# KiCad board OTTO-Beta-Main.kicad_pcb (continued)
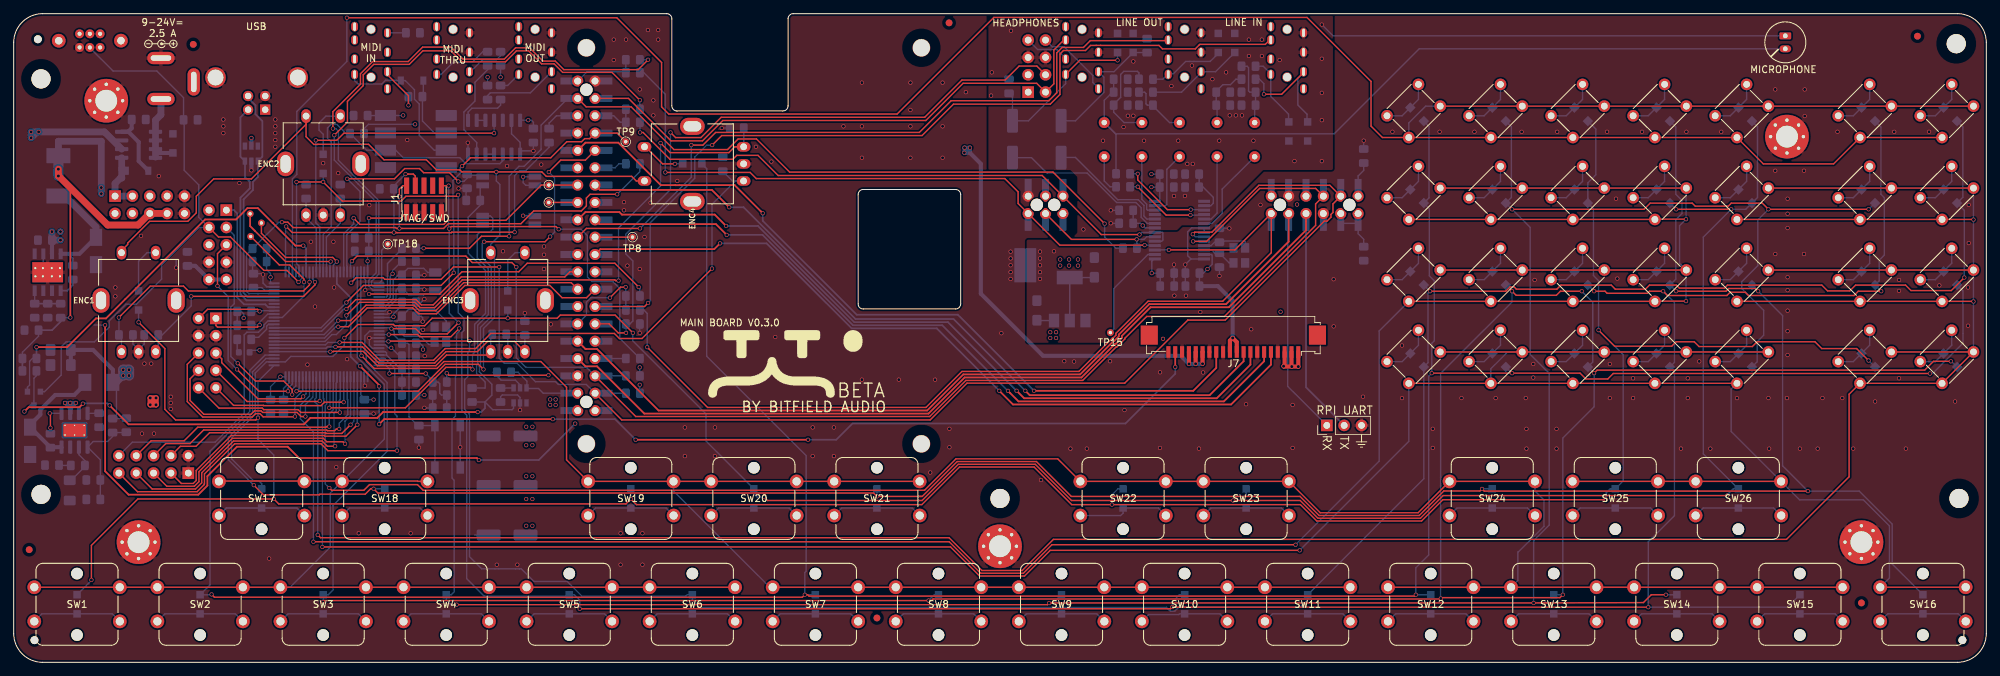
[diagram p0: board, top side]
## Footprints (pads in the part's own frame, mm; a bottom-side part is the same pattern mirrored in y, then rotated)
3.5mm_jack_PJ-3930-8A
  round 1.4 hole 1.2 unplated: (2.3,0) (9.3,0)
  oval 1.4x1 hole 1.2x0.4: R1(8.5,-2.4) R1S(6.65,2.4) R2(5.65,-2.4) R2S(3.85,2.4) S(2.8,-2.4) SS(1.9,2.4) T(8.9,2.4) TS(11,-2.4)
6x6mm_Switch
  round 1.7 hole 1: 1(-3.25,2.25) 1(3.25,2.25) 2(-3.25,-2.25) 2(3.25,-2.25)
ALPS_EC11
  oval 2.5x3.6 hole 1.5x2.6: (-5.5,0) (5.5,0)
  oval 1.4x2 hole 1: A(-2.5,-7.5) B(2.5,-7.5) C(0,-7.5) S1(-2.5,7) S2(2.5,7)
ALPS_SKHC_black
  round 1.7 hole 1.7 unplated: (0,4.5) (0,-4.5)
  round 2 hole 1.2: 1(-6.26,2.5) 1(6.25,2.5) 2(-6.25,-2.5) 2(6.25,-2.5)
ALPS_SKHC_white
  round 1.7 hole 1.7 unplated: (0,4.5) (0,-4.5)
  round 2 hole 1.2: 1(-6.26,2.5) 1(6.25,2.5) 2(-6.25,-2.5) 2(6.25,-2.5)
BarrelJack_2.0mmID_6.5mmOD
  oval 4x1.8 hole 3x0.8: 1(0,-13.5) 2(0,-7.5)
  oval 1.8x4 hole 0.8x3: 3(-4.8,-11)
C_0805_2012Metric_Pad1.15x1.40mm_HandSolder
  rrect 1.15x1.4 smd: 1(-1.025,0) 2(1.025,0)
C_1206_3216Metric_Pad1.42x1.75mm_HandSolder
  rrect 1.425x1.75 smd: 1(-1.488,0) 2(1.488,0)
C_Rect_L7.2mm_W5.0mm_P5.00mm_FKS2_FKP2_MKS2_MKP2
  round 1.6 hole 0.8: 1(0,0) 2(5,0)
CP_EIA-3216-18_Kemet-A_Pad1.58x1.35mm_HandSolder
  rrect 1.575x1.35 smd: 1(1.438,0) 2(-1.438,0)
CP_Elec_6.3x4.5
  rrect 3.5x1.6 smd: 1(2.7,0) 2(-2.7,0)
Crystal_SMD_3215-2Pin_3.2x1.5mm_HandSoldering
  rect 1.2x1.8 smd: 1(1.35,0) 2(-1.35,0)
Crystal_SMD_3225-4Pin_3.2x2.5mm
  rect 1.4x1.2 smd: 1(-1.1,-0.85) 2(1.1,-0.85) 3(1.1,0.85) 4(-1.1,0.85)
D_SMA
  rect 2.5x1.8 smd: 1(-2,0) 2(2,0)
D_SOD-123
  rect 0.9x1.2 smd: 1(-1.65,0) 2(1.65,0)
D_SOD-123F
  rect 1.1x1.1 smd: 1(-1.4,0) 2(1.4,0)
DIP-8_W8.89mm_SMDSocket_LongPads
  rect 3.1x1.6 smd: 1(-4.445,3.81) 2(-4.445,1.27) 3(-4.445,-1.27) 4(-4.445,-3.81) 5(4.445,-3.81) 6(4.445,-1.27) 7(4.445,1.27) 8(4.445,3.81)
Fiducial_1mm_Mask2mm
  round 1 smd: (0,0)
Harwin_M20-7810345_2x03_P2.54mm_Vertical_SolderHoles
  round 1.8 hole 1.8 unplated: (0,-1.27) (0,1.27)
  rect 2.18x1.02 smd: 1(-2.71,-2.54) 2(2.71,-2.54) 3(-2.71,0) 4(2.71,0) 5(-2.71,2.54) 6(2.71,2.54)
  custom 1.62x1.62 hole 1.02: 1(-1.27,-2.54) 2(1.27,-2.54) 3(-1.27,0) 4(1.27,0) 5(-1.27,2.54) 6(1.27,2.54)
Harwin_M20-7810645_2x06_P2.54mm_Vertical_SolderHoles
  round 1.8 hole 1.8 unplated: (0,-5.08) (0,5.08)
  rect 2.18x1.02 smd: 1(-2.71,-6.35) 2(2.71,-6.35) 3(-2.71,-3.81) 4(2.71,-3.81) 5(-2.71,-1.27) 6(2.71,-1.27) 7(-2.71,1.27) 8(2.71,1.27) 9(-2.71,3.81) 10(2.71,3.81) 11(-2.71,6.35) 12(2.71,6.35)
  custom 1.62x1.62 hole 1.02: 1(-1.27,-6.35) 2(1.27,-6.35) 3(-1.27,-3.81) 4(1.27,-3.81) 9(-1.27,3.81) 10(1.27,3.81) 11(-1.27,6.35) 12(1.27,6.35)
  round 1.62 hole 1.02: 5(-1.27,-1.27) 6(1.27,-1.27) 7(-1.27,1.27) 8(1.27,1.27)
INGHAi_GMI6050p
  rrect 1x1.7 hole 0.7: 1(-0.95,0)
  oval 1x1.7 hole 0.7: 2(0.95,0)
JLC_TOOLING_HOLE
  round 1.152 hole 1.152 unplated: (0,0)
L_6.6x7.1
  rect 2.2x3.5 smd: 1(-2.95,0) 2(2.95,0)
L_Sunlord_MWSA0518_5.4x5.2mm
  rect 1.9x2.5 smd: 1(-2.05,0) 2(2.05,0)
LED_0603_1608Metric
  rrect 0.875x0.95 smd: 1(-0.787,0) 2(0.787,0)
LQFP-100_14x14mm_P0.5mm
  rrect 0.3x1.6 smd: 1(-6,-7.675) 2(-5.5,-7.675) 3(-5,-7.675) 4(-4.5,-7.675) 5(-4,-7.675) 6(-3.5,-7.675) 7(-3,-7.675) 8(-2.5,-7.675) 9(-2,-7.675) 10(-1.5,-7.675) 11(-1,-7.675) 12(-0.5,-7.675) 13(0,-7.675) 14(0.5,-7.675) 15(1,-7.675) 16(1.5,-7.675) 17(2,-7.675) 18(2.5,-7.675) 19(3,-7.675) 20(3.5,-7.675) 21(4,-7.675) 22(4.5,-7.675) 23(5,-7.675) 24(5.5,-7.675) 25(6,-7.675) 51(6,7.675) 52(5.5,7.675) 53(5,7.675) 54(4.5,7.675) 55(4,7.675) 56(3.5,7.675) 57(3,7.675) 58(2.5,7.675) 59(2,7.675) 60(1.5,7.675) 61(1,7.675) 62(0.5,7.675) 63(0,7.675) 64(-0.5,7.675) 65(-1,7.675) 66(-1.5,7.675) 67(-2,7.675) 68(-2.5,7.675) 69(-3,7.675) 70(-3.5,7.675) 71(-4,7.675) 72(-4.5,7.675) 73(-5,7.675) 74(-5.5,7.675) 75(-6,7.675)
  rrect 1.6x0.3 smd: 26(7.675,-6) 27(7.675,-5.5) 28(7.675,-5) 29(7.675,-4.5) 30(7.675,-4) 31(7.675,-3.5) 32(7.675,-3) 33(7.675,-2.5) 34(7.675,-2) 35(7.675,-1.5) 36(7.675,-1) 37(7.675,-0.5) 38(7.675,0) 39(7.675,0.5) 40(7.675,1) 41(7.675,1.5) 42(7.675,2) 43(7.675,2.5) 44(7.675,3) 45(7.675,3.5) 46(7.675,4) 47(7.675,4.5) 48(7.675,5) 49(7.675,5.5) 50(7.675,6) 76(-7.675,6) 77(-7.675,5.5) 78(-7.675,5) 79(-7.675,4.5) 80(-7.675,4) 81(-7.675,3.5) 82(-7.675,3) 83(-7.675,2.5) 84(-7.675,2) 85(-7.675,1.5) 86(-7.675,1) 87(-7.675,0.5) 88(-7.675,0) 89(-7.675,-0.5) 90(-7.675,-1) 91(-7.675,-1.5) 92(-7.675,-2) 93(-7.675,-2.5) 94(-7.675,-3) 95(-7.675,-3.5) 96(-7.675,-4) 97(-7.675,-4.5) 98(-7.675,-5) 99(-7.675,-5.5) 100(-7.675,-6)
Mounting_Hole_M2.5_Loose_Fit
  round 2.8 hole 2.8 unplated: (0,0)
MountingHole_3.2mm_M3_Pad_Via
  round 0.8 hole 0.5: 1(-2.4,0) 1(-1.697,1.697) 1(-1.697,-1.697) 1(0,2.4) 1(0,-2.4) 1(1.697,1.697) 1(1.697,-1.697) 1(2.4,0)
  round 6.4 hole 3.2: 1(0,0)
NetTie-2_Pad5.0mm
  rect 1.6x5 smd: 1(-0.8,0) 2(0.8,0)
PinHeader_1x03_P2.54mm_Vertical
  rect 1.7x1.7 hole 1: 1(0,0)
  oval 1.7x1.7 hole 1: 2(0,-2.54) 3(0,-5.08)
PinHeader_2x04_P2.54mm_Vertical
  rect 1.7x1.7 hole 1: 1(0,0)
  oval 1.7x1.7 hole 1: 2(2.54,0) 3(0,-2.54) 4(2.54,-2.54) 5(0,-5.08) 6(2.54,-5.08) 7(0,-7.62) 8(2.54,-7.62)
PinHeader_2x05_P1.27mm_Vertical_SMD
  rect 2.4x0.74 smd: 1(-1.95,2.54) 2(1.95,2.54) 3(-1.95,1.27) 4(1.95,1.27) 5(-1.95,0) 6(1.95,0) 7(-1.95,-1.27) 8(1.95,-1.27) 9(-1.95,-2.54) 10(1.95,-2.54)
PinHeader_2x05_P2.54mm_Vertical
  rect 1.7x1.7 hole 1: 1(0,0)
  oval 1.7x1.7 hole 1: 2(2.54,0) 3(0,-2.54) 4(2.54,-2.54) 5(0,-5.08) 6(2.54,-5.08) 7(0,-7.62) 8(2.54,-7.62) 9(0,-10.16) 10(2.54,-10.16)
R_0805_2012Metric_Pad1.15x1.40mm_HandSolder
  rrect 1.15x1.4 smd: 1(-1.025,0) 2(1.025,0)
Raspberry_Pi_A_FacingDown_TH
  round 2.6 hole 2.5 unplated: (-49,-29) (-49,29) (0,-29) (0,29)
  round 1.8 hole 1.8 unplated: (0,-22.86) (0,22.86)
  rect 2.18x1.02 smd: 1(-2.71,-24.13) 2(2.71,-24.13) 3(-2.71,-21.59) 4(2.71,-21.59) 5(-2.71,-19.05) 6(2.71,-19.05) 7(-2.71,-16.51) 8(2.71,-16.51) 9(-2.71,-13.97) 10(2.71,-13.97) 11(-2.71,-11.43) 12(2.71,-11.43) 13(-2.71,-8.89) 14(2.71,-8.89) 15(-2.71,-6.35) 16(2.71,-6.35) 17(-2.71,-3.81) 18(2.71,-3.81) 19(-2.71,-1.27) 20(2.71,-1.27) 21(-2.71,1.27) 22(2.71,1.27) 23(-2.71,3.81) 24(2.71,3.81) 25(-2.71,6.35) 26(2.71,6.35) 27(-2.71,8.89) 28(2.71,8.89) 29(-2.71,11.43) 30(2.71,11.43) 31(-2.71,13.97) 32(2.71,13.97) 33(-2.71,16.51) 34(2.71,16.51) 35(-2.71,19.05) 36(2.71,19.05) 37(-2.71,21.59) 38(2.71,21.59) 39(-2.71,24.13) 40(2.71,24.13)
  custom 1.62x1.62 hole 1.02: 1(-1.27,-24.13) 2(1.27,-24.13) 3(-1.27,-21.59) 4(1.27,-21.59) 37(-1.27,21.59) 38(1.27,21.59) 39(-1.27,24.13) 40(1.27,24.13)
  round 1.62 hole 1.02: 5(-1.27,-19.05) 6(1.27,-19.05) 7(-1.27,-16.51) 8(1.27,-16.51) 9(-1.27,-13.97) 10(1.27,-13.97) 11(-1.27,-11.43) 12(1.27,-11.43) 13(-1.27,-8.89) 14(1.27,-8.89) 15(-1.27,-6.35) 16(1.27,-6.35) 17(-1.27,-3.81) 18(1.27,-3.81) 19(-1.27,-1.27) 20(1.27,-1.27) 21(-1.27,1.27) 22(1.27,1.27) 23(-1.27,3.81) 24(1.27,3.81) 25(-1.27,6.35) 26(1.27,6.35) 27(-1.27,8.89) 28(1.27,8.89) 29(-1.27,11.43) 30(1.27,11.43) 31(-1.27,13.97) 32(1.27,13.97) 33(-1.27,16.51) 34(1.27,16.51) 35(-1.27,19.05) 36(1.27,19.05)
SOIC-8-1EP_3.9x4.9mm_P1.27mm_EP2.41x3.81mm_ThermalVias
  rrect 1.01x1.59 smd: (-0.6,-0.95) (-0.6,0.95) (0.6,-0.95) (0.6,0.95)
  rrect 1.95x0.6 smd: 1(-2.475,1.905) 2(-2.475,0.635) 3(-2.475,-0.635) 4(-2.475,-1.905) 5(2.475,-1.905) 6(2.475,-0.635) 7(2.475,0.635) 8(2.475,1.905)
  round 0.5 hole 0.2: 9(-0.7,-1.4) 9(-0.7,0) 9(-0.7,1.4) 9(0.7,-1.4) 9(0.7,0) 9(0.7,1.4)
  rrect 1.9x3.3 smd far side: 9(0,0)
  rrect 2.41x3.81 smd: 9(0,0)
SOIC-8_3.9x4.9mm_P1.27mm
  rrect 0.6x1.95 smd: 1(-1.905,-2.475) 2(-0.635,-2.475) 3(0.635,-2.475) 4(1.905,-2.475) 5(1.905,2.475) 6(0.635,2.475) 7(-0.635,2.475) 8(-1.905,2.475)
SOIC-14_3.9x8.7mm_P1.27mm
  rrect 0.6x1.95 smd: 1(-3.81,-2.475) 2(-2.54,-2.475) 3(-1.27,-2.475) 4(0,-2.475) 5(1.27,-2.475) 6(2.54,-2.475) 7(3.81,-2.475) 8(3.81,2.475) 9(2.54,2.475) 10(1.27,2.475) 11(0,2.475) 12(-1.27,2.475) 13(-2.54,2.475) 14(-3.81,2.475)
SOT-23
  rect 0.9x0.8 smd: 1(-1,0.95) 2(-1,-0.95) 3(1,0)
SOT-23-6
  rect 1.06x0.65 smd: 1(1.1,-0.95) 2(1.1,0) 3(1.1,0.95) 4(-1.1,0.95) 5(-1.1,0) 6(-1.1,-0.95)
SOT-223-3_TabPin2
  rect 2x1.5 smd: 1(3.15,-2.3) 2(3.15,0) 3(3.15,2.3)
  rect 2x3.8 smd: 2(-3.15,0)
SSAC120100
  round 2 hole 1.1: (-4.55,0.01) (4.55,0)
  round 1.3 hole 0.6: 1(-1.5,1) 2(0,1) 3(1.5,1) 4(-1.5,-1) 5(0,-1) 6(1.5,-1)
SSOP-28_5.3x10.2mm_P0.65mm
  rect 0.45x1.75 smd: 1(-4.225,-3.6) 2(-3.575,-3.6) 3(-2.925,-3.6) 4(-2.275,-3.6) 5(-1.625,-3.6) 6(-0.975,-3.6) 7(-0.325,-3.6) 8(0.325,-3.6) 9(0.975,-3.6) 10(1.625,-3.6) 11(2.275,-3.6) 12(2.925,-3.6) 13(3.575,-3.6) 14(4.225,-3.6) 15(4.225,3.6) 16(3.575,3.6) 17(2.925,3.6) 18(2.275,3.6) 19(1.625,3.6) 20(0.975,3.6) 21(0.325,3.6) 22(-0.325,3.6) 23(-0.975,3.6) 24(-1.625,3.6) 25(-2.275,3.6) 26(-2.925,3.6) 27(-3.575,3.6) 28(-4.225,3.6)
SW_DIP_SPSTx02_Slide_HRO_EP-02KS
  rect 1.85x0.9 smd: 1(-3.825,0.635) 2(-3.825,-0.635) 3(3.825,-0.635) 4(3.825,0.635)
SW_SPST_5.2x5.2x1.5mm
  rect 1.8x1.1 smd: 1(-3.1,1.85) 1(3.1,1.85) 2(-3.1,-1.85) 2(3.1,-1.85)
TestPoint_THTPad_D1.0mm_Drill0.5mm
  round 1 hole 0.5: 1(0,0)
TI_SO-PowerPAD-8_ThermalVias
  rect 0.6x1.55 smd: 1(-1.905,-2.7) 2(-0.635,-2.7) 3(0.635,-2.7) 4(1.905,-2.7) 5(1.905,2.7) 6(0.635,2.7) 7(-0.635,2.7) 8(-1.905,2.7)
  round 0.6 hole 0.3: 9(-1.8,-0.6) 9(-1.8,0.6) 9(-0.6,-0.6) 9(-0.6,0.6) 9(0.7,-0.6) 9(0.7,0.6) 9(1.8,-0.6) 9(1.8,0.6)
  rect 3.1x2.6 smd: 9(0,0)
  rect 4.5x2.95 smd far side: 9(0,0)
  rect 4.5x2.95 smd: 9(0,0)
USB_B
  rect 1.5x1.5 hole 0.95: 1(-1.25,-15.06)
  round 1.5 hole 0.95: 2(1.25,-15.06) 3(1.25,-13.06) 4(-1.25,-13.06)
  round 3 hole 2.3: 5(-6.02,-10.35) 5(6.02,-10.35)
X10B25L20T_FPC_1x20-1MP_P1.00mm_Horizontal
  rect 0.6x1.7 smd: 1(-9.5,0.91) 2(-8.5,0.91) 3(-7.5,0.91) 4(-6.5,0.91) 5(-5.5,0.91) 6(-4.5,0.91) 7(-3.5,0.91) 8(-2.5,0.91) 9(-1.5,0.91) 10(-0.5,0.91) 11(0.5,0.91) 12(1.5,0.91) 13(2.5,0.91) 14(3.5,0.91) 15(4.5,0.91) 16(5.5,0.91) 17(6.5,0.91) 18(7.5,0.91) 19(8.5,0.91) 20(9.5,0.91)
  rect 2.5x2.8 smd: MP(-12.3,-1.56) MP(12.3,-1.56)

## Nets
+3V3_ANALOG: C72.1 C73.1 C246.2 C250.2 C268.1 U207.8 U207.14 U208.2
+3V3_MCU: C3.2 C10.1 C11.1 C49.1 C50.1 C51.1 C52.1 C53.1 C54.1 C211.1 C218.2 D57.2 J1.1 J4.9 J4.10 L2.2 R4.1 R6.1 R8.1 R10.1 R19.2 R206.2 R207.1 SW202.1 SW202.2 U202.6 U202.11 U202.19 U202.28 U202.50 U202.75 U202.100
+3V3_RASPI: C69.2 C70.1 C71.2 C243.2 C247.1 C260.2 J7.10 J7.11 J201.1 J201.17 J206.1 R30.1 R202.1 R205.1 R213.1 R215.1 R216.1 U205.14 U207.1 U207.27
+3V3A_MCU: C55.1 C219.1 R19.1 U202.21 U202.22
+5V_RASPI: C68.2 C261.2 C267.1 J7.1 J7.2 J7.3 J7.15 J7.16 J7.17 J201.2 J201.4 J206.2 J206.4 R17.1 U5.6 U201.8 U208.3
+5V_REG: C5.1 C79.1 C81.1 C84.1 J2.1 J2.3 J3.5 J3.6 J3.7 J3.8 L1.2 R14.1 R18.1 R20.1 SW48.1 U2.2 U5.1
/MCU/3V3_RASPI_DIV_2: C56.2 R29.1 R30.2 U202.25
/MCU/+5V_USB: J4.1 J4.2 U202.68 U204.5 USB201.1
GND: C1.1 C3.1 C4.2 C5.2 C6.2 C9.2 C10.2 C11.2 C48.1 C49.2 C50.2 C51.2 C52.2 C53.2 C54.2 C55.2 C56.1 C60.2 C61.1 C62.2 C63.1 C64.2 C65.1 C66.2 C67.1 C68.1 C69.1 C70.2 C71.1 C79.2 C81.2 C84.2 C87.2 C96.2 C97.2 C98.1 C204.2 C205.2 C211.2 C218.1 C219.2 C221.2 C222.2 C243.1 C247.2 C260.1 C261.1 C265.2 C266.2 D48.2 D54.2 D65.2 DC201.2 ENC1.C ENC2.C ENC3.C ENC4.C H1.1 H2.1 H3.1 H4.1 H5.1 J1.3 J1.5 J1.9 J3.9 J3.10 J4.7 J4.8 J5.3 J5.4 J6.1 J6.2 J7.4 J7.7 J7.12 J7.14 J7.18 J7.20 J9.3 J201.6 J201.9 J201.14 J201.20 J201.25 J201.30 J201.34 J201.39 J206.6 J206.9 J207.5 NT1.2 R5.2 R7.2 R9.2 R11.2 R12.2 R13.2 R15.2 R26.2 R29.2 R203.1 R204.1 SW49.1 SW201.2 TRS201.R2 TRS201.S TRS202.R2 TRS202.S U1.6 U1.9 U2.7 U5.2 U201.5 U202.10 U202.17 U202.20 U202.27 U202.74 U202.99 U204.2 U205.1 U205.7 U205.13 U207.21 U207.22 U207.28 USB201.4 USB201.5 Y201.2 Y201.4 Y203.2 Y203.4
GNDA: C72.2 C73.2 C74.2 C246.1 C250.1 C252.2 C256.2 C259.2 C264.1 C267.2 C268.2 D50.1 D51.1 D52.1 D53.1 D55.1 D56.1 J2.5 J2.6 MK201.1 NT1.1 R219.2 R221.1 R224.2 R225.1 R228.1 R229.1 R230.1 TRS204.R2 TRS204.S TRS205.R2 TRS205.S TRS206.R2 TRS206.S U207.11 U207.15 U208.1
(F427)_SAI1_FS_A: R236.2 U202.3
(F427)_SAI1_MCLK_A: TP18.1 U202.1
(F427)_SAI1_SCK_A: R235.2 U202.4
(F427)_SAI1_SD_A: R237.2 U202.5
(F427)_SAI1_SD_B: R238.2 U202.2
/AUDIO/AMP_OUT_L: J2.8 TRS206.TS
/AUDIO/AMP_OUT_R: J2.7 TRS206.R1S
/AUDIO/CODEC_CLKOUT: TP15.1 U207.2
/AUDIO/HP_OUT_L: C258.2 D56.2 R228.2 TRS206.T
/AUDIO/HP_OUT_R: C262.2 D55.2 R230.2 TRS206.R1
/AUDIO/I2S_BCLK*: J206.12 R231.2 U207.3
/AUDIO/I2S_DIN*: J207.4 R233.2 U207.6
/AUDIO/I2S_DOUT*: J207.6 R234.2 U207.4
/AUDIO/I2S_LRCLK*: J207.1 R232.2 U207.5 U207.7
/AUDIO/LINE_IN_L: D51.2 R218.2 TRS204.T
/AUDIO/LINE_IN_R: D50.2 R222.2 TRS204.R1
/AUDIO/LINE_OUT_L: D53.2 R220.2 TRS205.T
/AUDIO/LINE_OUT_R: D52.2 R223.2 TRS205.R1
/AUDIO/MIC_IN: C257.2 C259.1 MK201.2 R226.2 R229.2
/CE1_GPIO7_RASPI: J201.26 TP2.1
/GPIO1_RASPI: J201.28 TP7.1 U202.93
/ICP_RST: C48.2 J1.10 R3.1 R4.2 SW201.1 U202.14
/ICP_SWCLK: J1.4 R2.1 R7.1 U202.76
/ICP_SWDIO: J1.2 R1.2 R6.2 U202.72
/MCU/BARREL_IN: C1.2 D49.1 J3.1 J3.2 J3.3 J3.4 Q1.1 Q1.2 Q1.3 U1.7
/MCU/BOOT0: R203.2 SW202.4 U202.94
/MCU/BOOT1: R204.2 SW202.3 U202.37
/MCU/COL_1: SW1.2 SW2.2 SW3.2 SW4.2 SW5.2 SW6.2 SW17.2 SW18.2 U202.97
/MCU/COL_2: SW7.2 SW8.2 SW9.2 SW10.2 SW11.2 SW19.2 SW20.2 SW21.2 U202.98
/MCU/COL_3: SW12.2 SW13.2 SW14.2 SW15.2 SW22.2 SW23.2 SW24.2 U202.38
/MCU/COL_4: SW16.2 SW25.2 SW26.2 SW27.2 SW28.2 SW29.2 SW30.2 SW31.2 U202.39
/MCU/COL_5: SW32.2 SW33.2 SW38.2 SW39.2 SW40.2 SW45.2 SW46.2 SW47.2 U202.41
/MCU/COL_6: SW34.2 SW35.2 SW36.2 SW37.2 SW41.2 SW42.2 SW43.2 SW44.2 U202.43
/MCU/COL_7: ENC1.S1 ENC2.S1 ENC3.S1 ENC4.S1 U202.46
/MCU/COL_8: SW50.2 SW51.2 SW52.2 SW53.2 SW54.2 SW55.2 SW56.2 U202.78
/MCU/CV_ADC_1: J6.5 U202.31
/MCU/CV_ADC_2: J6.6 U202.32
/MCU/CV_DAC_1: J6.3 U202.29
/MCU/CV_DAC_2: J6.4 U202.30
/MCU/ENC_A_1: C60.1 ENC1.A U202.83
/MCU/ENC_A_2: C62.1 ENC2.A U202.85
/MCU/ENC_A_3: C64.1 ENC3.A U202.55
/MCU/ENC_A_4: C66.1 ENC4.A U202.57
/MCU/ENC_B_1: C61.2 ENC1.B U202.84
/MCU/ENC_B_2: C63.2 ENC2.B U202.88
/MCU/ENC_B_3: C65.2 ENC3.B U202.56
/MCU/ENC_B_4: C67.2 ENC4.B U202.58
/MCU/EXP_GPIO_1_ADC: J5.9 U202.33
/MCU/EXP_GPIO_2_ADC: J5.10 U202.34
/MCU/EXP_GPIO_3_PWM: J5.7 U202.40
/MCU/EXP_GPIO_4_PWM: J5.8 U202.42
/MCU/EXP_GPIO_5_PWM: J5.5 U202.44
/MCU/EXP_GPIO_6_PWM: J5.6 U202.45
/MCU/GATE_IO_1: J6.7 U202.35
/MCU/GATE_IO_2: J6.8 U202.36
/MCU/I2C2_SCL: J5.2 R206.1 U202.67
/MCU/I2C2_SDA: J5.1 R207.2 U202.66
/MCU/MCU_PA0: J6.9 U202.23
/MCU/MCU_PC7: J6.10 U202.64
/MCU/MCU_PC8: TP1.1 U202.65
/MCU/OSC32_IN: C96.1 U202.8 Y202.2
/MCU/OSC32_OUT: C97.1 U202.9 Y202.1
/MCU/OSC_IN: C204.1 U202.12 Y201.3
/MCU/OSC_OUT: C205.1 U202.13 Y201.1
/MCU/PERIPHERALS/BARL: D48.1 DC201.1 Q1.5 Q1.6 Q1.7 Q1.8
/MCU/PERIPHERALS/PI_PWR_EN_OVERRIDE: R16.2 SW48.4
/MCU/PROG_UART_RX: J4.5 U202.48
/MCU/PROG_UART_TX: J4.3 U202.47
/MCU/ROW_1: D1.1 D19.1 D22.1 D25.1 D32.1 D43.1 D60.1 D202.1 U202.51
/MCU/ROW_2: D17.1 D20.1 D23.1 D26.1 D44.1 D45.1 D62.1 D203.1 U202.52
/MCU/ROW_3: D16.1 D18.1 D21.1 D24.1 D37.1 D38.1 D61.1 U202.53
/MCU/ROW_4: D2.1 D7.1 D12.1 D28.1 D40.1 D41.1 D58.1 D205.1 U202.54
/MCU/ROW_5: D3.1 D8.1 D13.1 D29.1 D33.1 D35.1 U202.15
/MCU/ROW_6: D4.1 D9.1 D14.1 D31.1 D42.1 D46.1 D59.1 U202.16
/MCU/ROW_7: D5.1 D10.1 D15.1 D30.1 D36.1 D39.1 D63.1 D204.1 U202.80
/MCU/ROW_8: D6.1 D11.1 D27.1 D34.1 D47.1 D64.1 U202.18
/MCU/SPI_MISO_MCU: TP17.1 U202.90
/MCU/SPI_SCLK_MCU: TP16.1 U202.89
/MCU/STATUS_LED: R28.1 U202.63
/MCU/USBD_N: U202.70 U204.3 USB201.2
/MCU/USBD_P: U202.71 U204.1 USB201.3
/PWM1_GPIO13_RASPI: J201.33 TP9.1 U202.62
/SPI_MISO_RASPI: J201.21 TP8.1
AMP_ENABLE: J2.4 J201.11 R26.1
BL_PWM: J7.13 J201.32
DISPLAY_RESET: J7.9 J201.27
HP_SENSE: J2.2 J201.37 TRS206.R2S
I2C_SCL: J201.5 J206.5 R202.2 U202.95 U207.24
I2C_SDA: J201.3 J206.3 R205.2 U202.96 U207.23
I2S_BCLK: J201.12 R231.1 R235.1
I2S_DIN: J201.38 R233.1 R237.1
I2S_DOUT: J201.40 R234.1 R238.1
I2S_LRCLK: J201.35 R232.1 R236.1
LI_SENSE: J201.13 TRS204.R2S
LO_SENSE: J201.22 TRS205.R2S
MIDI_IN: R216.2 U201.6 U202.87 U205.3
MIDI_OUT: U202.86 U205.11
PI_PWR_EN: J201.31 Q2.3 R16.1 R20.2 U2.3 U5.3
PWR_BUTTON: C4.1 J4.4 Q2.2 SW49.2 U202.81
PWR_HOLD: Q2.1 R18.2 U202.82
RPI_UART_RX: J9.1 J201.10 J206.10
RPI_UART_TX: J9.2 J201.8 J206.8
SPI_CS_RASPI_DISPLAY: J7.8 J201.24
SPI_MOSI_MCU: J7.19 U202.91
SPI_MOSI_RASPI: J7.5 J201.19
SPI_SCLK_RASPI: J7.6 J201.23
TRIGGER1: J201.15 U202.59
TRIGGER2: J201.16 U202.60
TRIGGER3: J201.18 U202.61
Net-(C2-Pad1): C2.1 D65.1 L1.1 U1.8
Net-(C2-Pad2): C2.2 U1.1
Net-(C6-Pad1): C6.1 U2.4
Net-(C7-Pad1): C7.1 D54.1 L2.1 U2.8
Net-(C7-Pad2): C7.2 U2.1
Net-(C8-Pad1): C8.1 C9.1 U2.6
Net-(C8-Pad2): C8.2 R5.1
Net-(C87-Pad1): C87.1 U5.4
Net-(C98-Pad2): C98.2 TRS203.S
Net-(C221-Pad1): C221.1 U202.49
Net-(C222-Pad1): C222.1 U202.73
Net-(C251-Pad1): C251.1 U207.20
Net-(C251-Pad2): C251.2 C252.1 R218.1 R219.1
Net-(C253-Pad1): C253.1 R220.1 R221.2
Net-(C253-Pad2): C253.2 U207.12
Net-(C254-Pad1): C254.1 U207.19
Net-(C254-Pad2): C254.2 C256.1 R222.1 R224.1
Net-(C255-Pad1): C255.1 R223.1 R225.2
Net-(C255-Pad2): C255.2 U207.13
Net-(C257-Pad1): C257.1 R227.2
Net-(C258-Pad1): C258.1 U207.9
Net-(C262-Pad1): C262.1 U207.10
Net-(C264-Pad2): C74.1 C264.2 U207.16
Net-(C265-Pad1): C265.1 U207.25 Y203.1
Net-(C266-Pad1): C266.1 U207.26 Y203.3
Net-(D1-Pad2): D1.2 SW1.1
Net-(D2-Pad2): D2.2 SW2.1
Net-(D3-Pad2): D3.2 SW3.1
Net-(D4-Pad2): D4.2 SW4.1
Net-(D5-Pad2): D5.2 SW5.1
Net-(D6-Pad2): D6.2 SW6.1
Net-(D7-Pad2): D7.2 SW7.1
Net-(D8-Pad2): D8.2 SW8.1
Net-(D9-Pad2): D9.2 SW9.1
Net-(D10-Pad2): D10.2 SW10.1
Net-(D11-Pad2): D11.2 SW11.1
Net-(D12-Pad2): D12.2 SW12.1
Net-(D13-Pad2): D13.2 SW13.1
Net-(D14-Pad2): D14.2 SW14.1
Net-(D15-Pad2): D15.2 SW15.1
Net-(D16-Pad2): D16.2 SW16.1
Net-(D17-Pad2): D17.2 SW17.1
Net-(D18-Pad2): D18.2 SW18.1
Net-(D19-Pad2): D19.2 SW19.1
Net-(D20-Pad2): D20.2 SW20.1
Net-(D21-Pad2): D21.2 SW21.1
Net-(D22-Pad2): D22.2 SW22.1
Net-(D23-Pad2): D23.2 SW23.1
Net-(D24-Pad2): D24.2 SW24.1
Net-(D25-Pad2): D25.2 SW25.1
Net-(D26-Pad2): D26.2 SW26.1
Net-(D27-Pad2): D27.2 SW27.1
Net-(D28-Pad2): D28.2 SW28.1
Net-(D29-Pad2): D29.2 SW29.1
Net-(D30-Pad2): D30.2 SW30.1
Net-(D31-Pad2): D31.2 SW31.1
Net-(D32-Pad2): D32.2 SW32.1
Net-(D33-Pad2): D33.2 SW33.1
Net-(D34-Pad2): D34.2 SW34.1
Net-(D35-Pad2): D35.2 SW35.1
Net-(D36-Pad2): D36.2 SW36.1
Net-(D37-Pad2): D37.2 SW37.1
Net-(D38-Pad2): D38.2 SW38.1
Net-(D39-Pad2): D39.2 SW39.1
Net-(D40-Pad2): D40.2 SW40.1
Net-(D41-Pad2): D41.2 SW41.1
Net-(D42-Pad2): D42.2 SW42.1
Net-(D43-Pad2): D43.2 SW43.1
Net-(D44-Pad2): D44.2 SW44.1
Net-(D45-Pad2): D45.2 SW45.1
Net-(D46-Pad2): D46.2 SW46.1
Net-(D47-Pad2): D47.2 SW47.1
Net-(D49-Pad2): D49.2 Q1.4 R13.1
Net-(D57-Pad1): D57.1 R28.2
Net-(D58-Pad2): D58.2 SW50.1
Net-(D59-Pad2): D59.2 SW51.1
Net-(D60-Pad2): D60.2 SW52.1
Net-(D61-Pad2): D61.2 SW53.1
Net-(D62-Pad2): D62.2 SW54.1
Net-(D63-Pad2): D63.2 SW55.1
Net-(D64-Pad2): D64.2 SW56.1
Net-(D202-Pad2): D202.2 ENC1.S2
Net-(D203-Pad2): D203.2 ENC3.S2
Net-(D204-Pad2): D204.2 ENC2.S2
Net-(D205-Pad2): D205.2 ENC4.S2
Net-(D206-Pad1): D206.1 R217.1 U201.2
Net-(D206-Pad2): D206.2 TRS203.T U201.3
Net-(J201-Pad7): J201.7 R3.2
Net-(J201-Pad29): J201.29 R1.1
Net-(J201-Pad36): J201.36 R2.2
Net-(J206-Pad7): J206.7
Net-(J206-Pad11): J206.11
Net-(J207-Pad2): J207.2
Net-(J207-Pad3): J207.3
Net-(R10-Pad2): R8.2 R9.1 R10.2 R12.1 U2.5
Net-(R11-Pad1): R11.1 R14.2 R15.1 U1.4
Net-(R17-Pad2): R17.2 U5.5
Net-(R212-Pad1): R212.1 U205.8
Net-(R212-Pad2): R212.2 TRS201.T
Net-(R213-Pad2): R213.2 TRS201.R1
Net-(R214-Pad1): R214.1 U205.6
Net-(R214-Pad2): R214.2 TRS202.T
Net-(R215-Pad2): R215.2 TRS202.R1
Net-(R217-Pad2): R217.2 TRS203.R1
Net-(R226-Pad1): R226.1 U207.17
Net-(R227-Pad1): R227.1 U207.18
Net-(U205-Pad4): U205.4 U205.5
Net-(U205-Pad10): U205.9 U205.10

Pads without a net: DC201 3; J1 6 7 8; J4 6; J7 MP; SW48 2 3; SW49 3 4 5 6; TRS201 R1S R2S SS TS; TRS202 R1S R2S SS TS; TRS203 R1S R2 R2S SS TS; TRS204 R1S SS TS; TRS205 R1S SS TS; TRS206 SS; U1 2 3 5; U2 9; U201 1 4 7; U202 7 24 26 69 77 79 92; U204 4 6; U205 2 12

## Via types
v1: diameter 0.6, hole 0.45, Top to Bottom, 559 vias

## Routing (per net, layer and track width the routed paths; a pad name or vN(x,y) marks a point on that pad's centre or on a via; arc(x,y) is an arc through that point)
+3V3_ANALOG: length 22.6
  Bottom w0.203: v1(166.42,71.5) C246.2 C72.1 ; 157.67,56.37 157.64,56.35 U208.2 U208.2 ; C73.1 164.82,64.3 v1(165.14,63.97) 165.5,63.62 167.67,63.62 ; C73.1 164.27,64.3 ; C73.1 C250.2 ; C72.1 167.64,67.55 167.67,67.52 ; C72.1 v1(166.42,69.6)
  vias: v1(153.07,59) v1(153.07,58.1) v1(154.37,59) v1(154.37,58.1) v1(155.67,59) v1(155.67,58.1)
+3V3_MCU: length 88.8
  Top w0.203: J1.1 56.64,65.06 v1(51.96,65.06)
  Bottom w0.203: C218.2 55.42,57.37 v1(55.42,56.9) 55.08,56.56 55.08,53.49 54.59,53 U202.6 ; U202.19 54.37,46.5 54.8,46.07 v1(55.22,46.07) 56.45,44.85 C50.1 ; R19.2 v1(60.07,39.15) ; U202.50 v1(39.02,41.82) 37.57,40.38 C52.1 ; R6.1 C53.1 36.99,57.52 37.57,56.95 v1(37.57,56.4) 37.57,55.5 38.09,55.5 ; L2.2 15.03,40.49 15.03,36.26 R8.1 16.43,35.7 R10.1 ; 34.74,45.7 v1(35.97,45.7) ; v1(52.65,38.47) 51.49,38.47 50.77,39.2 U202.28 ; v1(59.87,45.8) 59.87,46.3 59.42,46.75 R4.1 ; v1(51.96,65.06) 51.95,65.04 C211.1 C54.1 51.77,60.02 v1(51.77,58.75) 51.77,57.17 ; SW202.1 76.21,71.1 v1(74.52,71.1) 74.52,70.25 74.91,69.86 SW202.2 ; 17.09,42.22 v1(16.87,42) ; R207.1 R206.2 33.27,51.4 33.65,51.02 v1(33.65,50.43) ; 55.67,50.6 55.65,50.6 ; U202.11 55.45,50.5 v1(55.55,50.6) 55.55,51.03 56.79,52.27 C49.1 ; 28.22,56.17 28.27,56.12
  Bottom w0.6: L2.2 14.51,42.85 11.61,45.75 C11.1 C10.1 ; J4.9 J4.10 26.57,58.06 C3.2
  Bottom w1: L2.2 15.02,41 v1(16.02,42)
  Bottom w1.5: v1(16.02,42) v1(16.02,42.85) v1(16.87,42.85) v1(16.87,42)
+3V3_RASPI: length 70
  Top w0.203: v1(78.22,42.05) 63.65,42.05 v1(63.35,42.35)
  Top w0.6: J7.10 178.9,46.9 v1(178.3,47.51) 177.9,47.11 J7.11
  Bottom w0.203: v1(91.57,43.2) 91.57,41.97 R202.1 ; R215.1 v1(71.22,85.7) ; U207.27 175.2,59.72 175.3,59.63 175.3,58.28 v1(174.62,57.6) 174.02,57 C71.2 C247.1 ; v1(58.72,78.8) 51.9,78.8 51.24,78.15 R216.1 ; U205.14 74.1,79.4 v1(75.27,79.4) 75.72,79.4 76.02,79.1 C69.2 ; 167.67,59.07 166.79,59.07 166.47,58.75 v1(166.47,57) C70.1 C243.2 ; J206.1 J206.1 196.65,71.23 197.47,72.05 197.47,73.12 ; R213.1 v1(69.32,85.7) ; J201.17 J201.17 ; v1(91.57,40.65) 91.57,39.42 R205.1 ; J201.1 J201.1 ; R30.1 v1(63.35,42.35)
  Bottom w0.6: v1(178.3,47.51) 178.3,52.94 178.27,52.97 178.27,52.97 176.14,55.1 C247.1
+3V3A_MCU: length 9.5
  Bottom w0.203: R19.1 C219.1 C55.1 56.59,42.95 54.54,45 ; 54.54,45 U202.22 ; 54.54,45 54.54,45.33 54.37,45.5 U202.21
+5V_RASPI: length 164.2
  Top w0.6: v1(173.9,43.72) 173.9,45.45 ; v1(172.88,43.72) 172.88,45.43 ; v1(171.92,43.7) 171.92,45.44 ; J7.2 186.9,43.37 v1(186.95,43.32) ; 171.9,45.45 J7.17 ; v1(186.95,43.32) 185.8,43.32 v1(185.75,43.37) 185.9,43.52 J7.3 ; v1(186.95,43.32) v1(187.9,43.32) J7.1 ; 196.75,65.73 J206.2 ; 172.92,45.44 J7.16 ; 173.88,45.43 J7.15
  In1.Cu w0.203: v1(79.27,38.5) 77.47,40.3 77.47,50.56 76.22,51.81 76.22,54.65 76.57,55 76.57,71.4 73.95,74.02 61.45,74.02 56.97,78.5 v1(56.97,80.1)
  Bottom w0.203: C267.1 149.72,50.05 U208.3 ; J201.2 J201.2 ; U5.6 75.12,40.1 76.77,40.1 77.46,39.41 J201.4 J201.4 ; 75.07,40.3 75.07,41.17 73.75,42.5 73.12,42.5 ; v1(56.97,80.1) 56.96,80.08 U201.8 ; C68.2 54.54,80.07 ; J206.2 J206.2 ; J206.2 196.65,62.77 197.47,61.95 C261.2 ; J206.2 J206.4 J206.4
  Bottom w0.6: v1(173.9,43.72) v1(172.88,43.72) 172.86,43.7 v1(171.92,43.7) 170.71,44.9 150.55,44.9 141.47,53.98 141.47,73.01 139.41,75.07 139.38,75.07 v1(139.08,75.37) ; v1(139.08,75.37) v1(139.87,75.37) 139.87,74.68 139.82,74.63 v1(139.06,74.63) 139.06,75.35 v1(139.08,75.37)
  vias: v1(78.47,38.5) v1(78.47,37.7) v1(79.27,37.7) v1(151.62,48.35) v1(151.62,47.5) v1(152.47,48.35) v1(152.47,47.5)
+5V_REG: length 122.6
  Top w0.254: v1(6.54,71.23) 8.29,69.48 v1(8.29,50.5)
  Top w0.762: v1(19.97,37.72) 19.97,37.87 v1(20.82,38.72) ; v1(19.97,37.72) v1(19.97,38.72) ; v1(19.97,37.72) v1(20.82,37.72) ; v1(19.97,38.72) v1(20.82,38.72) ; v1(19.97,38.72) 20.82,37.87 v1(20.82,37.72) ; v1(20.82,38.72) v1(20.82,37.72)
  Top w1: 19.9,65.75 18.19,64.04 13.76,64.04 6.58,71.23 v1(6.54,71.23) v1(6.54,72.23) ; J3.6 J3.8
  In1.Cu w0.254: v1(74.51,65.41) 74.96,65.41 75.87,64.5 75.87,54.91 75.79,54.83 75.79,51.63 77.02,50.4 77.02,35.65 v1(75.87,34.5)
  Bottom w0.203: SW48.1 75.41,65.38 ; C5.1 3.63,47.76 1.28,45.41 R18.1
  Bottom w0.254: v1(74.51,65.41) 76.22,65.41 SW48.1 ; v1(8.29,50.5) 8.27,50.48 R14.1 6.87,49.9 5.62,48.65 C5.1 ; R18.1 R20.1
  Bottom w0.6: v1(8.27,37.99) v1(9.09,37.99) 8.27,37.18 U2.2 ; v1(8.27,37.99) U2.2 ; v1(8.27,37.99) v1(7.51,37.99) 8.27,37.23 U2.2
  Bottom w1: R14.1 6.9,50.51 ; v1(12.82,68.64) v1(12.82,69.53) 12.82,76.31 6.55,76.31 6.54,76.3 L1.2
  Bottom w1.5: v1(6.54,71.23) 6.54,74.48
  vias: v1(74.97,34.5) v1(74.97,31.8) v1(74.97,27.25) v1(74.97,23.91) v1(74.97,20) v1(75.87,31.8) v1(75.87,27.25) v1(75.87,23.91) v1(75.87,20)
/MCU/3V3_RASPI_DIV_2: length 15
  Top w0.203: v1(60.27,42.3) v1(54.97,42.3)
  Bottom w0.203: v1(54.97,42.3) 54.97,43 54.47,43.5 U202.25 53.47,43.47 ; C56.2 R29.1 62.57,39.15 62.32,39.4 62.32,40.8 62.07,41.05 R30.2 61.29,41.27 v1(60.27,42.3)
/MCU/+5V_USB: length 42
  In1.Cu w0.6: J4.1 J4.2
  In1.Cu w1: USB201.1 36.79,78.82 v1(34.77,76.8) 34.77,74.05 28.57,67.85 J4.2
  Bottom w0.254: 38.09,52 37.23,52 36.8,52.43 33.7,52.43 32.71,53.42 32.71,65.73 32.21,66.23 J4.1
  Bottom w0.6: U204.5 v1(34.77,76.8)
GND: length 109.2
  Top w0.6: 174.9,45.45 J7.14
  Bottom w0.203: 69.63,18.65 67.42,18.65 ; C87.2 71.22,38.9 71.47,39.15 73.7,39.15 74.07,38.78 U5.2 v1(74.07,36.95) ; U1.6 4.34,57.76 U1.9 ; J207.5 J207.5 ; C97.2 59.87,54.8 v1(60.07,54.6) ; 65.32,34.35 v1(65.32,31.5) 65.32,28.15 ; C204.2 59.57,50.7 59.82,50.45 v1(59.82,49.9) ; 38.09,55 37.02,55 36.47,55.55 v1(36.47,56.8) 36.34,56.92 C222.2 34.95,57.05 C53.2 ; R204.1 66.17,67.67 66.17,69.27 R203.1 65.1,69.42 v1(65.07,69.4) ; J201.14 J201.14 ; C64.2 72.27,47.82 ENC3.C ; v1(91.57,48.25) 91.57,49.52 R26.2 ; 22.87,37.9 v1(22.97,38) ; 76.02,76.12 v1(76.02,74.9) 74.22,74.9 74.08,74.76 U205.1 74.08,76.14 72.82,77.4 72.82,79.36 U205.13 ; U202.10 54.7,51 v1(54.99,51.29) ; 51.27,57.17 51.27,56.19 51.47,55.99 51.47,54.57 v1(51.43,54.52) ; J201.39 J201.39 ; R29.2 C56.1 60.1,37.25 v1(60.07,37.28) ; 173.37,63.62 172.29,63.62 171.72,63.05 171.72,59.55 172.19,59.07 ; v1(60.07,53.2) 59.62,52.75 C49.2 ; J201.9 J201.9 ; C65.1 v1(74.77,51.15) ; 176.37,57.82 v1(176.37,56.6) ; ENC1.C 18.27,45.8 ; 18.27,45.8 17.45,46.62 C60.2 ; 18.27,45.8 19.09,46.62 C61.1 ; 176.22,63.57 176.29,63.57 ; 34.67,56.97 34.8,57.1 ; J201.30 J201.30 ; U202.17 v1(52.02,47.5) 52.02,46.43 52.45,46 U202.20 ; C205.2 59.76,48.8 v1(59.86,48.7) ; J201.20 J201.20 ; C260.1 v1(197.47,76.4) ; 69.63,25.9 69.58,25.95 ; U205.7 66.46,76.06 v1(66.42,76.1) ; C243.1 169.72,55.12 169.72,56.97 C70.2 169.72,57.02 v1(169.72,58.25) ; C48.1 v1(59.27,31.45) ; J201.34 J201.34 ; 172.19,59.07 173.37,59.07 ; 172.19,59.07 v1(171.37,58.25) 171.37,57.02 C71.1 171.37,56.97 171.37,55.12 C247.2 ; U207.22 174.12,63.62 ; 23.77,58.97 v1(23.77,57.8) ; J201.25 J201.25 ; C67.1 v1(103.57,78.25) ; C51.2 v1(52.65,36.42) ; U202.27 51.27,40.6 v1(51.37,40.5) ; C265.2 177.79,63.57 v1(177.82,63.55) ; J206.6 J206.6 ; C96.2 v1(60.07,56.7) ; J201.6 J201.6 ; J206.9 J206.9
  Bottom w0.6: U204.2 v1(34.77,72.05)
  vias: v1(14.87,54.9) v1(14.87,53.6) v1(18.63,62.46) v1(18.77,33.5) v1(19.12,43.75) v1(20.12,43.75) v1(20.52,33.5) v1(21.23,71.2) v1(22.97,38.9) v1(22.97,37.1) v1(30.67,79.5) v1(30.67,78.5) v1(30.67,77.5) v1(33.02,70.2) v1(37.37,15.2) v1(38.27,79.5) v1(38.27,78.5) v1(38.27,77.5) v1(38.27,76.5) v1(38.27,75.5) v1(42.97,43.6) v1(43.47,61.6) v1(44.07,52.1) v1(45.27,73.1) v1(46.77,61.6) v1(46.87,54.9) v1(47.19,28.58) v1(47.47,71.65) v1(48.77,44.4) v1(50.47,18.9) v1(52.02,66.95) v1(57.57,76.5) v1(58.07,18.9) v1(60.12,44.85) v1(70.67,14.3) v1(71.57,60.2) v1(72.17,72.7) v1(73.67,14.3) v1(77.17,72.9) v1(77.57,60.9) v1(77.57,59.7) v1(77.57,57.6) v1(78.57,49.5) v1(87.77,91.2) v1(87.77,88.2) v1(88.77,18.9) v1(88.77,14.3) v1(89.27,67.4) v1(89.27,66.2) v1(89.57,91.2) v1(89.77,58.1) v1(91.57,83.9) v1(91.57,57.6) v1(91.97,18.9) v1(91.97,14.3) v1(92.27,62.3) v1(92.77,92.6) v1(93.17,67.3) v1(93.57,82.3) v1(93.57,80.1) v1(94.27,92.6) v1(94.27,91.2) v1(97.07,70.5) v1(98.17,34.4) v1(98.17,30.2) v1(102.57,34.4) v1(102.57,30.2) v1(108.57,75.5) v1(110.83,73.33) v1(111.4,47.64) v1(116.87,34.4) v1(116.87,30.2) v1(119.97,34.4) v1(119.97,30.2) v1(121.37,78.5) v1(124.07,84.9) v1(124.07,78.5) v1(124.07,73.9) v1(124.07,41.4) v1(129.47,41.4) v1(131.17,84.9) v1(131.17,80.9) v1(131.17,78.5) v1(131.17,73.9) v1(134.07,27.8) v1(134.77,41.4) v1(135.87,84.9) v1(135.87,78.5) v1(135.87,73.9) v1(136.87,34.2) v1(136.87,31.5) v1(139.27,83.5) v1(144.47,48.2) v1(145.82,60.15) v1(145.82,59.15) v1(145.82,58.15) v1(145.82,57.15) v1(145.82,56.15) v1(150.27,26.7) v1(153.67,44.1) v1(154.57,31.3) v1(155.11,44.05) v1(156.97,31.3) v1(160.37,44.1) v1(162.48,36.94) v1(167.68,42.48) v1(167.67,31.4) v1(169.77,53.7) v1(171.47,53.7) v1(173.37,31.3) v1(173.57,51.3) v1(173.98,42.45) v1(180.27,37.8) v1(181.02,48.78) v1(182.37,67) v1(187.07,37.7) v1(187.07,31.4) v1(193.07,56.1) v1(193.07,49.2) v1(197.36,38.91) v1(201.67,77.7) v1(203.07,46.4) v1(203.07,38.7) v1(207.57,34.2) v1(207.57,31.4) v1(208.57,77.7) v1(211.77,38.7) v1(213.67,77.7) v1(216.77,38.7) v1(220.57,77.7) v1(221.17,38.7) v1(221.27,34.2) v1(221.27,31.3) v1(222.27,43.7) v1(222.27,41.7) v1(222.47,56) v1(225.67,34.2) v1(225.67,31.3) v1(225.77,77.7) v1(233.07,77.7) v1(233.47,43.7) v1(233.47,38.7) v1(234.37,67.9) v1(234.57,56.2) v1(236.87,41.6) v1(236.87,38.7) v1(238.17,77.7) v1(243.87,31.3) v1(244.67,77.7) v1(244.87,41.6) v1(244.87,38.7) v1(246.55,44.07) v1(248.17,31.3) v1(249.77,77.7) v1(252.07,38.7) v1(256.67,38.7) v1(256.77,31.3) v1(257.67,83.9) v1(257.67,72) v1(257.67,59.8) v1(259.37,38.7) v1(259.47,67.9) v1(259.47,65.7) v1(259.47,63.6) v1(259.47,56.4) v1(259.47,54.5) v1(259.47,51.5) v1(259.47,48.5) v1(259.47,45) v1(261.27,31.3) v1(261.87,72) v1(261.87,59.8) v1(261.97,83.9) v1(261.97,80) v1(263.87,31.3) v1(264.57,38.7) v1(266.77,77.7) v1(267.47,38.7) v1(269.07,31.3) v1(272.27,38.2) v1(275.07,77.7) v1(275.77,56) v1(275.77,54.4) v1(275.77,41.6) v1(276.77,31.3) v1(280.17,77.7) v1(281.67,55.2) v1(283.97,38.2) v1(285.87,54.9) v1(285.87,49.3) v1(285.97,67) v1(285.97,61.4)
